# Allegro board gps_interface_boardv54dc.brd (continued)
## Routing (per net, layer and track width the routed paths; a pad name or vN(x,y) marks a point on that pad's centre or on a via; arc(x,y) is an arc through that point) (continued)
  BOTTOM w0.165: U36.2 203.33,82.45 arc(203.1,82.99) 202.57,83.21 v1(199.82,83.21)
  BOTTOM w0.203: R188.2 208.74,122.1 v1(208.61,121.97)
N224464: length 214.7
  TOP w0.203: J20.2 v1(191.37,122.03) ; U52.7 207.21,15.72 arc(209.13,16.51) 209.93,18.44 209.93,28.23 arc(209.85,28.62) 209.63,28.95 v1(207.42,31.17)
  SIG w0.165: v1(207.42,31.17) 209.08,29.5 arc(209.35,29.32) 209.66,29.26 211.71,29.26 arc(213,29.8) 213.54,31.09 213.54,74.74 arc(213.6,75.06) 213.78,75.32 226.78,88.33 arc(226.96,88.6) 227.03,88.91 227.03,118.75 arc(225.74,121.85) 222.63,123.14 216.95,123.14 arc(216.64,123.2) 216.37,123.38 214.82,124.93 arc(214.55,125.11) 214.24,125.17 206.84,125.17 arc(206.53,125.23) 206.26,125.41 204.36,127.32 arc(204.09,127.5) 203.77,127.56 202.04,127.56 arc(201.73,127.5) 201.46,127.32 197.22,123.08 arc(196.95,122.9) 196.63,122.83 194.02,122.83 arc(193.7,122.77) 193.43,122.59 193.11,122.27 arc(192.85,122.09) 192.53,122.03 v1(191.37,122.03)
  BOTTOM w0.165: v1(191.37,122.03) 193.72,122.03 arc(194.46,121.72) 194.77,120.98 194.77,115.56 arc(194.7,115.24) 194.53,114.97 191.68,112.13 arc(191.5,111.86) 191.44,111.54 191.44,98.77 arc(191.38,98.45) 191.2,98.18 180.32,87.3 arc(180.14,87.03) 180.07,86.72 U40.1
  BOTTOM w0.203: v1(191.37,122.03) 191.37,123.01 R208.2
N224468: length 225.6
  TOP w0.203: U52.6 206.29,15.07 206.32,15.04 207.8,15.04 arc(210.11,16) 211.07,18.31 211.07,28.23 arc(211,28.62) 210.78,28.95 v1(208.56,31.17) ; v1(186.31,121.97) 186.37,121.97 arc(186.51,121.91) 186.57,121.77 J20.8
  SIG w0.165: v1(208.56,31.17) 209.79,29.93 arc(210.06,29.75) 210.38,29.69 211.43,29.69 arc(212.65,30.2) 213.16,31.42 213.16,74.97 arc(213.22,75.28) 213.4,75.55 226.35,88.51 arc(226.53,88.77) 226.59,89.09 226.59,118.57 arc(225.38,121.5) 222.45,122.71 216.77,122.71 arc(216.46,122.77) 216.19,122.95 214.64,124.5 arc(214.37,124.68) 214.06,124.74 206.67,124.74 arc(206.35,124.8) 206.08,124.98 204.18,126.89 arc(203.91,127.06) 203.59,127.13 202.22,127.13 arc(201.91,127.06) 201.64,126.89 197.4,122.65 arc(197.13,122.47) 196.81,122.4 194.2,122.4 arc(193.88,122.34) 193.61,122.16 192.62,121.17 arc(192.35,120.99) 192.04,120.93 191.4,120.93 arc(190.82,121.17) 190.58,121.75 190.58,122.11 arc(190.33,122.69) 189.75,122.94 186.94,122.94 arc(186.49,122.75) 186.31,122.3 v1(186.31,121.97)
  BOTTOM w0.165: v1(186.31,121.97) 186.31,121.4 arc(186.25,121.08) 186.07,120.81 183.02,117.77 arc(182.84,117.5) 182.78,117.18 182.78,115.63 arc(182.84,115.32) 183.02,115.05 185.91,112.15 arc(186.09,111.89) 186.16,111.57 186.16,109.66 arc(186.22,109.35) 186.4,109.08 189.45,106.03 arc(189.62,105.76) 189.69,105.45 189.69,97.73 arc(189.62,97.41) 189.45,97.14 178.82,86.52 arc(178.64,86.25) 178.58,85.93 178.58,80.94 arc(178.82,80.35) 179.4,80.11 180.27,80.11 arc(180.8,80.33) 181.03,80.87 U40.2
  BOTTOM w0.203: R209.2 186.44,122.1 v1(186.31,121.97)
N224492: length 252.2
  TOP w0.203: v1(205.18,31.11) 207.65,28.64 arc(207.87,28.31) 207.95,27.93 207.95,19.43 arc(207.62,18.64) 206.84,18.32 U52.11 ; J21.2 v1(169.25,122.03)
  SIG w0.165: v1(169.25,122.03) 169.25,122.33 arc(169.3,122.57) 169.44,122.78 169.81,123.15 arc(169.99,123.42) 170.05,123.74 170.05,128.04 arc(170.42,128.94) 171.32,129.31 225.48,129.31 arc(227.18,128.6) 227.89,126.9 227.89,88.53 arc(227.83,88.21) 227.65,87.95 214.62,74.92 arc(214.44,74.65) 214.38,74.33 214.38,30.61 arc(213.68,28.94) 212.01,28.24 208.39,28.24 arc(208.08,28.31) 207.81,28.49 v1(205.18,31.11)
  BOTTOM w0.165: U44.1 157.95,95.24 arc(158.29,96.05) 159.11,96.39 165.99,96.39 arc(167.66,97.08) 168.35,98.76 168.35,104.86 arc(168.41,105.18) 168.59,105.45 169.43,106.29 arc(169.61,106.55) 169.67,106.87 169.67,111.7 arc(169.73,112.01) 169.91,112.28 172.38,114.74 arc(172.56,115.01) 172.62,115.33 172.62,121.21 arc(172.38,121.79) 171.79,122.03 v1(169.25,122.03)
  BOTTOM w0.203: R229.2 169.25,123.01 v1(169.25,122.03)
N224496: length 258
  TOP w0.203: U52.10 207.37,17.67 arc(208.59,18.17) 209.09,19.39 209.09,27.98 arc(209.02,28.37) 208.8,28.69 v1(206.32,31.17) ; v1(164.19,121.97) 164.25,121.97 arc(164.39,121.91) 164.45,121.77 J21.8
  SIG w0.165: v1(164.19,121.97) 164.19,121.46 arc(164.36,121.03) 164.8,120.85 169.77,120.85 arc(170.47,121.14) 170.76,121.84 170.76,127.89 arc(171.05,128.59) 171.75,128.88 225.27,128.88 arc(226.84,128.23) 227.48,126.67 227.48,88.68 arc(227.42,88.37) 227.24,88.1 214.16,75.02 arc(213.98,74.75) 213.92,74.44 213.92,30.68 arc(213.36,29.34) 212.01,28.78 209.05,28.78 arc(208.74,28.84) 208.47,29.02 v1(206.32,31.17)
  BOTTOM w0.165: v1(164.19,121.97) 164.19,120.97 arc(164.12,120.65) 163.94,120.38 160.95,117.39 arc(160.77,117.12) 160.71,116.8 160.71,115.73 arc(160.77,115.42) 160.95,115.15 164.68,111.42 arc(164.86,111.15) 164.92,110.83 164.92,100.25 arc(163.96,97.94) 161.65,96.98 158.32,96.98 arc(157.1,96.47) 156.59,95.25 156.59,81.11 arc(156.83,80.53) 157.42,80.29 158.04,80.29 arc(158.65,80.54) 158.9,81.15 U44.2
  BOTTOM w0.203: v1(164.19,121.97) 164.31,122.1 R230.2
N245271: length 3.5
  TOP w0.305: D5.2 20.94,76.12 20.95,76.13 v1(21.96,76.13)
  BOTTOM w0.305: Q4.2 v1(21.96,76.13)
N245311: length 7.1
  TOP w0.305: D5.1 v1(18.61,78.12)
  BOTTOM w0.305: v1(18.61,78.12) 20.57,78.12 arc(20.8,78.16) 20.99,78.29 21.03,78.34 arc(21.23,78.47) 21.46,78.51 R51.1
N245859: length 7.4
  TOP w0.305: D4.2 v1(9.09,33.05)
  BOTTOM w0.305: v1(9.09,33.05) 9.09,29.62 arc(8.84,29) 8.21,28.74 Q3.2
N245899: length 1.7
  TOP w0.165: R44.1 12.31,31.37 D4.1
N246142: length 3.3
  TOP w0.305: D6.2 52.33,103.66 52.34,103.67 v1(53.35,103.67)
  BOTTOM w0.305: Q5.2 v1(53.35,103.67)
N246182: length 3.5
  TOP w0.305: D6.1 50,107.11 R57.1
N266416: length 136.9
  TOP w0.203: v1(220.07,30.56) 220.07,19.3 arc(220.32,18.7) 220.92,18.44 U53.11 ; J14.2 v1(265.21,122.03)
  SIG w0.165: v1(265.21,122.03) 263.83,122.03 arc(263.52,122.09) 263.25,122.27 262.83,122.69 arc(262.56,122.87) 262.24,122.94 258.32,122.94 arc(257.42,122.56) 257.05,121.67 257.05,119.6 arc(256.99,119.28) 256.81,119.01 253.15,115.35 arc(252.97,115.09) 252.91,114.77 252.91,108.77 arc(252.84,108.46) 252.67,108.19 252.49,108.01 arc(252.31,107.75) 252.25,107.43 252.25,99.86 arc(252.31,99.54) 252.49,99.28 253.1,98.67 arc(253.28,98.4) 253.34,98.08 253.34,85.64 arc(253.28,85.32) 253.1,85.05 250.81,82.77 arc(250.63,82.5) 250.57,82.18 250.57,79.5 v1(250.49,79.43) 250.62,79.3 arc(250.7,79.18) 250.73,79.04 250.73,64.35 arc(250.67,64.04) 250.49,63.77 220.31,33.59 arc(220.13,33.32) 220.07,33.01 v1(220.07,30.56)
  BOTTOM w0.165: U28.1 253.07,81.66 arc(252.76,81.6) 252.49,81.42 v1(250.49,79.43)
  BOTTOM w0.203: v1(265.21,122.03) 265.21,123.01 R145.2
N266420: length 134.4
  TOP w0.203: v1(260.15,121.97) 260.21,121.97 arc(260.35,121.91) 260.41,121.77 J14.8 ; U53.10 220.1,17.79 arc(219.27,18.14) 218.92,18.97 v1(218.92,30.56)
  SIG w0.165: v1(218.92,30.56) 219.47,30.01 arc(219.74,29.83) 220.05,29.77 220.36,29.77 arc(220.8,29.95) 220.98,30.39 220.98,32.78 arc(221.04,33.1) 221.22,33.36 251.29,63.44 arc(251.47,63.7) 251.54,64.02 251.54,79.27 v1(251.61,79.35) 251.61,82.39 arc(251.68,82.7) 251.85,82.97 253.69,84.81 arc(253.87,85.07) 253.93,85.39 253.93,98.07 arc(253.87,98.39) 253.69,98.66 253.08,99.27 arc(252.9,99.53) 252.84,99.85 252.84,107.18 arc(252.9,107.5) 253.08,107.77 253.26,107.95 arc(253.44,108.21) 253.5,108.53 253.5,114.53 arc(253.56,114.84) 253.74,115.11 257.59,118.96 arc(257.86,119.14) 258.18,119.2 258.42,119.2 arc(259.64,119.71) 260.15,120.93 v1(260.15,121.97)
  BOTTOM w0.165: U28.2 254.84,81.05 arc(254.67,80.64) 254.26,80.47 253.07,80.47 arc(252.76,80.4) 252.49,80.23 v1(251.61,79.35)
  BOTTOM w0.203: v1(260.15,121.97) 260.27,122.1 R146.2
N279924: length 0.9
  TOP w0.165: U12.19 44.77,62.29 44.78,62.28 ; U12.2 46.52,64.04 46.56,64.01
N280018: length 3.6
  TOP w0.305: v1(53.6,70.16) 52.27,70.16 52.25,70.18 D7.2
  BOTTOM w0.305: Q6.2 v1(53.6,70.16)
N280022: length 10.1
  TOP w0.305: D7.1 v1(47.85,70.18)
  BOTTOM w0.305: v1(47.85,70.18) 48.98,71.31 arc(49.48,71.64) 50.06,71.75 50.88,71.75 arc(51.46,71.87) 51.96,72.2 52.26,72.5 arc(52.75,72.83) 53.34,72.95 R62.1
N304882: length 5
  TOP w0.203: v1(8.76,40.56) 8.76,41.26 arc(8.84,41.65) 9.06,41.98 9.59,42.52 arc(9.81,42.84) 9.88,43.22 U6.2
  BOTTOM w0.203: C17.1 v1(8.76,40.56)
N322365: length 3
  TOP w0.17: v1(46.94,84.3) 46.94,83.96 arc(46.82,83.67) 46.53,83.55 U9.5
  BOTTOM w0.17: v1(46.94,84.3) 46.94,83.9 arc(47.05,83.65) 47.3,83.54 R70.1
N322369: length 1.9
  TOP w0.17: U9.7 44.75,84.98 arc(44.77,85.12) 44.85,85.24 v1(44.98,85.37)
  BOTTOM w0.17: R112.1 44.88,86.01 arc(44.96,85.9) 44.98,85.77 v1(44.98,85.37)
N322373: length 1.8
  TOP w0.17: U9.9 43.75,85.48 v1(43.79,85.52)
  BOTTOM w0.17: v1(43.79,85.52) 43.76,85.55 R113.1
N323562: length 2.6
  TOP w0.17: U11.5 46.23,98.41 arc(46.38,98.44) 46.5,98.52 46.73,98.75 arc(46.81,98.87) 46.84,99.01 v1(46.84,99.19)
  BOTTOM w0.17: v1(46.84,99.19) 46.97,99.19 arc(47.07,99.17) 47.14,99.12 R114.1
N323566: length 2.9
  TOP w0.17: v1(46.15,100.2) 46.05,100.2 arc(45.98,100.19) 45.92,100.15 45.29,99.52 arc(45.24,99.44) 45.22,99.36 U11.6
  BOTTOM w0.17: R115.1 45.75,101.27 arc(45.79,101.06) 45.91,100.88 46.01,100.78 arc(46.11,100.62) 46.15,100.44 v1(46.15,100.2)
N323570: length 2.6
  TOP w0.17: U11.7 44.72,100.14 arc(44.79,100.31) 44.96,100.38 v1(44.98,100.38)
  BOTTOM w0.17: R118.1 44.87,101.39 arc(44.95,101.26) 44.98,101.11 v1(44.98,100.38)
N323574: length 2.5
  TOP w0.17: v1(43.38,100.51) 43.56,100.33 arc(43.68,100.15) 43.72,99.95 U11.9
  BOTTOM w0.17: R255.1 43.54,101.35 arc(43.42,101.18) 43.38,100.98 v1(43.38,100.51)
N323578: length 2.8
  TOP w0.17: v1(42.39,100.15) 42.5,100.15 arc(42.56,100.14) 42.62,100.1 43.14,99.59 arc(43.2,99.49) 43.22,99.38 U11.10
  BOTTOM w0.17: v1(42.39,100.15) 42.48,100.24 arc(42.52,100.3) 42.54,100.38 42.54,100.79 arc(42.55,100.88) 42.61,100.95 42.63,100.98 arc(42.68,101.05) 42.7,101.14 R256.1
N323582: length 1.9
  TOP w0.17: U11.11 v1(41.59,98.41)
  BOTTOM w0.17: R257.1 41.02,98.4 41.03,98.41 v1(41.59,98.41)
N325169: length 2.8
  TOP w0.17: U12.6 45.27,66.58 arc(45.31,66.75) 45.4,66.89 45.86,67.35 arc(45.93,67.4) 46.01,67.41 v1(46.13,67.41)
  BOTTOM w0.165: R259.1 45.8,68.15 45.82,68.13 45.82,67.91 arc(45.86,67.73) 45.96,67.58 v1(46.13,67.41)
N325173: length 2.5
  TOP w0.17: v1(45.09,67.64) 44.92,67.47 arc(44.81,67.31) 44.77,67.12 U12.7
  BOTTOM w0.17: R260.1 44.78,68.14 arc(44.82,67.96) 44.92,67.8 v1(45.09,67.64)
N325177: length 2.3
  TOP w0.17: U12.9 v1(43.77,67.59)
  BOTTOM w0.17: v1(43.77,67.59) 43.77,68.14 43.76,68.15 R261.1
N325181: length 2.5
  TOP w0.17: U12.10 43.27,66.7 arc(43.22,66.99) 43.05,67.23 v1(42.72,67.56)
  BOTTOM w0.17: v1(42.72,67.56) 42.72,68.13 42.75,68.15 R262.1
N325185: length 1.9
  TOP w0.17: U12.11 v1(41.6,65.54)
  BOTTOM w0.17: R263.1 41.04,65.58 41.09,65.54 v1(41.6,65.54)
N325191: length 3.2
  TOP w0.17: U12.5 46.19,65.54 arc(46.67,65.74) 46.86,66.21 v1(46.86,66.45)
  BOTTOM w0.17: v1(46.86,66.45) 46.86,65.97 arc(46.99,65.66) 47.3,65.53 R258.1
N339027: length 12.6
  TOP w0.305: v1(106.69,69.71) 106.69,70.29 arc(106.54,70.66) 106.17,70.82 D2.2
  BOTTOM w0.305: Q1.2 105.17,62.17 arc(106.25,62.62) 106.69,63.69 R32.1 v1(106.69,69.71)
N339674: length 5.9
  TOP w0.305: D1.1 102.66,68.5 arc(102.5,68.47) 102.37,68.39 v1(102.21,68.22)
  BOTTOM w0.305: R32.2 R33.1 102.21,67.07 v1(102.21,68.22)
N339693: length 3.1
  TOP w0.305: D2.1 v1(102.21,70.82)
  BOTTOM w0.305: R34.1 102.2,70.12 102.21,70.13 v1(102.21,70.82)
N350589: length 2.1
  BOTTOM w0.203: R110.1 300.41,19.42 300.41,19.43 J15.1
N350593: length 2.1
  BOTTOM w0.203: R111.1 300.45,24.37 300.43,24.38 J16.1
N351209: length 153.5
  TOP w0.203: U53.7 224.94,15.84 arc(225.7,16.16) 226.01,16.92 v1(226.01,30.56) ; J13.2 v1(287.28,122.08)
  SIG w0.165: v1(287.28,122.08) 285.91,122.08 arc(285.59,122.14) 285.32,122.32 285.05,122.59 arc(284.78,122.77) 284.47,122.83 280.64,122.83 arc(279.71,122.45) 279.32,121.51 279.32,120.31 arc(279.26,119.99) 279.08,119.72 274.92,115.56 arc(274.74,115.29) 274.68,114.97 274.68,81.77 arc(274.61,81.46) 274.43,81.19 v1(272.57,79.32) 272.02,78.78 arc(271.84,78.51) 271.78,78.19 271.78,70.66 arc(271.72,70.34) 271.54,70.07 263.28,61.81 arc(263.01,61.63) 262.69,61.57 252.51,61.57 arc(252.19,61.51) 251.92,61.33 226.25,35.66 arc(226.07,35.39) 226.01,35.07 v1(226.01,30.56)
  BOTTOM w0.165: U24.1 275.14,81.56 arc(274.83,81.5) 274.56,81.32 v1(272.57,79.32)
  BOTTOM w0.203: v1(287.28,122.08) 287.28,123.01 R124.2
N351234: length 148.7
  TOP w0.203: v1(282.22,122.02) 282.28,122.02 arc(282.42,121.96) 282.48,121.82 J13.8 ; v1(227.13,30.56) 227.13,16.43 arc(226.76,15.56) 225.89,15.19 U53.6
  SIG w0.165: v1(227.13,30.56) 227.13,34.61 arc(227.19,34.92) 227.37,35.19 252.39,60.21 arc(252.65,60.39) 252.97,60.45 263.16,60.45 arc(263.47,60.51) 263.74,60.69 272.66,69.61 arc(272.83,69.88) 272.9,70.19 272.9,78.12 arc(272.96,78.43) 273.14,78.7 v1(273.69,79.25) 274.97,80.53 arc(275.15,80.8) 275.21,81.11 275.21,114.14 arc(275.27,114.45) 275.45,114.72 279.62,118.88 arc(279.88,119.06) 280.2,119.13 280.52,119.13 arc(281.72,119.62) 282.22,120.83 v1(282.22,122.02)
  BOTTOM w0.165: v1(273.69,79.25) 274.56,80.12 arc(274.83,80.3) 275.14,80.37 276.33,80.37 arc(276.74,80.54) 276.91,80.95 U24.2
  BOTTOM w0.203: v1(282.22,122.02) 282.35,122.15 R125.2
N352210: length 2.4
  BOTTOM w0.203: J11.1 271.72,19.43 271.7,19.45 R106.1
N352214: length 2.4
  BOTTOM w0.305: J12.1 271.72,24.38 271.7,24.37 R107.1
N361011: length 269.4
  TOP w0.17: U105.2 120.96,122.89 arc(120.45,123.1) 120.24,123.61 v1(120.24,126.59)
  TOP w0.203: J30.8 135.21,121.77 arc(135.15,121.91) 135.01,121.97 v1(134.95,121.97) ; U53.4 226.77,13.89 arc(228.57,14.64) 229.31,16.43 v1(229.31,30.56)
  SIG w0.17: v1(229.31,30.56) 227.83,29.08 arc(227.56,28.89) 227.23,28.83 216.1,28.83 arc(215.15,29.22) 214.76,30.17 214.76,74.02 arc(214.82,74.35) 215.01,74.62 228.05,87.66 arc(228.23,87.94) 228.3,88.26 228.3,127.15 arc(227.54,128.98) 225.7,129.74 162.38,129.74 arc(162.05,129.68) 161.78,129.49 161.36,129.08 arc(161.09,128.89) 160.76,128.83 143.47,128.83 arc(142.87,128.58) 142.62,127.98 142.62,122.94 arc(141.96,121.34) 140.36,120.68 135.79,120.68 arc(135.2,120.92) 134.95,121.51 v1(134.95,121.97) 134.39,121.97 arc(133.64,122.28) 133.32,123.04 133.32,123.37 arc(133.26,123.7) 133.08,123.97 130.73,126.32 arc(130.45,126.5) 130.13,126.57 121.79,126.57 121.77,126.59 v1(120.24,126.59)
  BOTTOM w0.203: v1(134.95,121.97) 135.08,122.1 R2677.2
N361478: length 267.7
  TOP w0.17: U105.1 v1(121.72,129.49)
  TOP w0.203: v1(228.22,30.56) 228.22,16.41 arc(227.67,15.09) 226.35,14.54 U53.5 ; J30.2 v1(140.01,122.03)
  SIG w0.17: v1(121.72,129.49) 123.57,129.49 123.6,129.51 134.67,129.51 arc(135.86,129.02) 136.35,127.84 136.35,126.15 arc(136.6,125.55) 137.2,125.3 139.16,125.3 arc(139.77,125.05) 140.01,124.45 v1(140.01,122.03) 140.19,122.03 arc(141.5,122.57) 142.04,123.88 142.04,128.24 arc(142.35,129) 143.1,129.31 159.9,129.31 arc(160.22,129.38) 160.5,129.56 160.89,129.95 arc(161.16,130.14) 161.49,130.2 225.86,130.2 arc(227.89,129.36) 228.73,127.33 228.73,88.08 arc(228.66,87.76) 228.48,87.48 215.44,74.44 arc(215.25,74.17) 215.19,73.84 215.19,30.35 arc(215.51,29.58) 216.28,29.26 226.57,29.26 arc(226.9,29.33) 227.17,29.51 v1(228.22,30.56)
  BOTTOM w0.203: v1(140.01,122.03) 140.01,123.01 R2676.2
N361490: length 231.7
  TOP w0.17: v1(132.18,65.51) 132.18,65.94 arc(132.25,66.27) 132.43,66.54 134.23,68.34 arc(134.47,68.5) 134.75,68.56 U104.16 ; v1(145.44,95.78) 145.44,94.86 U106.1
  TOP w0.203: v1(189.76,44.15) 192.58,41.33 arc(192.91,41.11) 193.3,41.03 222.53,41.03 arc(223.25,40.74) 223.55,40.02 223.55,17.99 arc(223.3,17.39) 222.7,17.14 U53.9
  SIG w0.17: v1(145.44,95.78) 146.23,95.78 arc(146.56,95.72) 146.83,95.53 147.88,94.48 arc(148.07,94.21) 148.13,93.88 148.13,70.91 arc(148.07,70.59) 147.88,70.31 143.33,65.76 arc(143.05,65.57) 142.73,65.51 v1(132.18,65.51) 111.63,65.51 arc(110.97,65.23) 110.69,64.57 110.69,52.4 arc(110.76,52.07) 110.94,51.8 112.78,49.96 arc(113.06,49.77) 113.38,49.71 148.34,49.71 arc(148.66,49.77) 148.94,49.96 150.22,51.24 arc(150.5,51.42) 150.82,51.49 187.15,51.49 arc(189,50.72) 189.76,48.87 v1(189.76,44.15)
N361502: length 237.9
  TOP w0.17: U104.22 138.29,64.91 arc(138.36,64.58) 138.54,64.3 v1(139.24,63.6) ; v1(149.4,93.95) 145.49,93.95 U106.2
  TOP w0.203: v1(191.52,44.17) 193.53,42.16 arc(193.86,41.94) 194.25,41.86 223.55,41.86 arc(224.35,41.52) 224.69,40.72 224.69,17.51 arc(224.39,16.79) 223.67,16.49 U53.8
  SIG w0.17: v1(191.52,44.17) 191.52,49.6 arc(190.82,51.27) 189.14,51.97 150.44,51.97 arc(150.12,51.9) 149.84,51.72 148.84,50.72 arc(148.56,50.53) 148.24,50.47 113.38,50.47 arc(113.06,50.53) 112.78,50.72 111.48,52.02 arc(111.29,52.3) 111.23,52.63 111.23,63.51 arc(111.48,64.11) 112.08,64.36 127.44,64.36 arc(127.76,64.3) 128.04,64.11 128.3,63.85 arc(128.58,63.67) 128.9,63.6 v1(139.24,63.6) 147.6,63.6 arc(148.55,64) 148.95,64.95 148.95,93.19 arc(149,93.47) 149.16,93.71 v1(149.4,93.95)
N437368: length 14.4
  TOP w0.203: J17.P6 J17.P8 253.97,16.8 arc(254.05,17.19) 254.27,17.52 J17.P9 253.62,18.49 J17.P7
  BOTTOM w0.203: J17.P9 258.37,18.49 258.43,18.43 R254.2
N437754: length 11.8
  TOP w0.305: J17.P12 246.27,6.38 arc(245.73,6.95) 244.98,7.16 242.92,7.16 arc(242.34,7.28) 241.84,7.61 240.04,9.41 arc(239.55,9.74) 238.97,9.86 R43.2
N437768: length 17.6
  TOP w0.305: J17.P13 256.15,6.79 arc(256.64,7.12) 257.23,7.24 259.26,7.24 arc(260.34,7.69) 260.78,8.76 260.78,16.01 arc(261.11,16.81) 261.91,17.14 R39.2
N575036: length 6
  TOP w0.203: v1(89.53,116.41) 89.53,115.7 arc(90.07,114.42) 91.34,113.89 U19.1
  BOTTOM w0.203: R93.1 88.76,115.75 arc(88.87,115.77) 88.95,115.83 v1(89.53,116.41)
N575058: length 4.8
  TOP w0.203: v1(89.64,113.41) 89.74,113.31 arc(89.82,113.26) 89.91,113.24 U19.2
  BOTTOM w0.203: R94.1 89.17,114.38 arc(89.5,114.24) 89.64,113.91 v1(89.64,113.41)
N575080: length 8
  TOP w0.203: v1(96.39,112.8) 96.96,112.23 arc(97.29,112.01) 97.68,111.94 U19.21
  BOTTOM w0.203: R95.1 97.7,111.91 arc(97.31,111.99) 96.98,112.21 v1(96.39,112.8)
N576735: length 5.5
  TOP w0.203: U17.8 111.33,28.34 arc(111.26,27.95) 111.04,27.62 v1(110.59,27.18)
  BOTTOM w0.203: v1(110.59,27.18) 110.59,28.54 arc(110.67,28.92) 110.89,29.25 111.09,29.46 arc(111.27,29.73) 111.34,30.04 R81.1
N576751: length 4.8
  TOP w0.203: v1(108.18,26.97) 107.94,27.21 arc(107.79,27.44) 107.74,27.71 U18.8
  BOTTOM w0.203: v1(108.18,26.97) 108.18,28.66 arc(108.13,28.93) 107.97,29.16 107.91,29.22 arc(107.78,29.41) 107.74,29.64 R82.1
N635255: length 4.4
  TOP w0.305: D8.2 100.86,97.36 100.84,97.37 v1(99.51,97.37)
  BOTTOM w0.305: Q7.2 v1(99.51,97.37)
N635295: length 4
  TOP w0.305: D8.1 v1(103.19,100.23)
  BOTTOM w0.305: v1(103.19,100.23) 103.19,100.06 103.21,100.04 R37.1
N637994: length 5
  TOP w0.203: Q12.2 88.84,11.4 arc(88.9,11.71) 89.07,11.97 90.47,13.36 arc(90.7,13.93) 90.47,14.51 90.46,14.51 D15.2
N638034: length 4.5
  TOP w0.203: D15.1 v1(87.22,15.21)
  BOTTOM w0.203: R80.1 88.06,16.84 arc(87.47,16.6) 87.22,16 v1(87.22,15.21)
N638123: length 9
  TOP w0.203: U15.4 91.3,4.05 arc(91.76,4.24) 91.95,4.69 91.95,10.45 arc(91.78,10.86) 91.36,11.03 Q12.1
N638285: length 5.3
  TOP w0.203: R79.1 85.36,3.99 85.39,3.97 R78.2 86.96,3.97 86.97,3.96 87.11,3.96 arc(87.19,3.95) 87.26,3.9 87.39,3.77 arc(87.57,3.65) 87.78,3.61 88.82,3.61 89.06,3.84 arc(89.29,3.99) 89.55,4.05 U15.3
N638693: length 4.9
  TOP w0.203: Q11.2 83.94,11.39 arc(84,11.7) 84.18,11.96 85.4,13.19 arc(85.62,13.52) 85.7,13.91 85.7,14.52 85.71,14.54 D14.2
N638733: length 4.3
  TOP w0.203: D14.1 84.11,18.23 v1(84.11,18.24)
  BOTTOM w0.203: R74.1 v1(84.11,18.24)
N665913: length 2.1
  BOTTOM w0.203: R254.1 262.89,17.53 262.9,17.52 C123.2
N716600: length 2.1
  TOP w0.17: U107.2 138.3,93.64 arc(138.23,93.81) 138.07,93.88 138.03,93.88 arc(137.87,93.81) 137.8,93.64 U107.3
N717829: length 6.7
  TOP w0.203: U107.10 137.8,89.23 137.82,89.21 137.82,88.18 137.89,88.11 137.89,88.06
  TOP w0.33: 137.89,88.06 137.89,87.57 arc(137.93,87.36) 138.04,87.18 v1(138.25,86.98)
  BOTTOM w0.33: C2748.1 138.28,84.31 arc(138.22,84.59) 138.07,84.83 138.02,84.87 arc(137.86,85.11) 137.81,85.38 137.81,86.26 arc(137.86,86.52) 138,86.74 v1(138.25,86.98)
N717833: length 6.7
  TOP w0.203: 137.21,88.11 137.28,88.18 137.28,89.21 137.3,89.23 U107.9
  TOP w0.33: 137.21,88.11 137.21,87.59 arc(137.17,87.38) 137.05,87.19 v1(136.83,86.98)
  BOTTOM w0.33: v1(136.83,86.98) 137.08,86.74 arc(137.22,86.52) 137.27,86.26 137.27,85.38 arc(137.22,85.11) 137.06,84.87 137.02,84.83 arc(136.86,84.59) 136.8,84.31 C2747.1
N727253: length 17.3
  TOP w0.508: C2749.1 186.38,20.12 Y2.6 ; C2749.1 186.51,25.7 arc(186.18,26.51) 185.37,26.84 R2694.2 R2695.2 ; C2749.1 C2750.1 186.65,18.2 L22.1
N755066: length 5.1
  TOP w0.17: Y1.4 97.45,79.91 98.3,80.75 arc(98.57,80.94) 98.9,81 100.8,81 arc(101.05,80.95) 101.26,80.81 101.35,80.72 arc(101.49,80.63) 101.65,80.59 C277.1
N755111: length 8.2
  TOP w0.17: U48.8 108.73,80.13 arc(108.62,80.16) 108.52,80.22 R1540.1 108.2,80.33 arc(108.03,80.3) 107.89,80.21 107.86,80.17 arc(107.71,80.07) 107.53,80.04 105.36,80.04 arc(105.03,80.1) 104.75,80.28 103.85,81.19 arc(103.69,81.29) 103.5,81.33 103.47,81.33 arc(103.28,81.37) 103.12,81.47 C276.2
N755152: length 8.2
  TOP w0.17: C277.2 103.18,80.91 arc(103.28,80.98) 103.39,81 103.43,81 arc(103.55,80.98) 103.65,80.91 104.63,79.93 arc(104.9,79.74) 105.23,79.68 107.54,79.68 arc(107.68,79.65) 107.81,79.57 107.83,79.54 arc(107.95,79.46) 108.1,79.43 R1540.2 108.52,79.54 arc(108.62,79.61) 108.73,79.63 U48.9
N755804: length 2.1
  TOP w0.17: R2670.1 Y1.1
N755834: length 2.1
  TOP w0.17: R1550.2 Y1.2
N755912: length 13.6
  TOP w0.17: L19.1 90.5,85.02 R2670.2 R1550.1
  TOP w0.635: L19.1 91.64,87.52 arc(92.03,87.44) 92.35,87.23 92.44,87.14 arc(92.77,86.92) 93.15,86.84 96.44,86.84 arc(97.05,86.59) 97.3,85.98 Y1.6
N764207: length 2
  TOP w0.254: R2694.1 Y2.1
N764211: length 2
  TOP w0.254: R2695.1 Y2.2
N804236: length 2.1
  TOP w0.508: R2640.1 6.12,18.97 arc(6.18,19.26) 6.34,19.5 U100.B1
N804492: length 2.9
  TOP w0.508: U100.A2 4.6,21.06 arc(3.99,20.94) 3.48,20.59 R2650.1
N808323: length 0.5
  TOP w0.165: U101.2 46.52,46.03 46.56,46
N808573: length 2.7
  TOP w0.17: v1(46.89,48.31) 46.89,47.98 arc(46.76,47.66) 46.44,47.53 U101.5
  BOTTOM w0.17: R2661.1 47.2,48.24 arc(47.12,48.29) 47.02,48.31 v1(46.89,48.31)
N808577: length 2.9
  TOP w0.17: U101.6 45.27,48.48 arc(45.29,48.57) 45.34,48.64 45.97,49.28 arc(46.03,49.31) 46.1,49.33 v1(46.2,49.33)
  BOTTOM w0.17: R2662.1 45.8,50.39 arc(45.84,50.18) 45.96,50.01 46.06,49.9 arc(46.17,49.75) 46.2,49.56 v1(46.2,49.33)
N808581: length 2.6
  TOP w0.17: v1(45.03,49.5) 45.01,49.5 arc(44.84,49.44) 44.77,49.27 U101.7
  BOTTOM w0.17: R2663.1 44.92,50.52 arc(45,50.39) 45.03,50.24 v1(45.03,49.5)
N808585: length 2.5
  TOP w0.17: v1(43.43,49.63) 43.61,49.45 arc(43.73,49.28) 43.77,49.07 U101.9
  BOTTOM w0.17: v1(43.43,49.63) 43.43,50.11 arc(43.47,50.31) 43.59,50.48 R2664.1
N808589: length 2.8
  TOP w0.17: U101.10 43.27,48.51 arc(43.25,48.62) 43.19,48.71 42.67,49.23 arc(42.62,49.26) 42.55,49.28 v1(42.44,49.28)
  BOTTOM w0.17: R2665.1 42.75,50.26 arc(42.73,50.17) 42.68,50.1 42.66,50.08 arc(42.61,50) 42.59,49.91 42.59,49.51 arc(42.57,49.43) 42.53,49.36 v1(42.44,49.28)
N808593: length 1.9
  TOP w0.17: U101.11 v1(41.64,47.53)
  BOTTOM w0.17: v1(41.64,47.53) 41.08,47.53 41.07,47.52 R2666.1
N811210: length 5
  TOP w0.17: C2711.2 16.11,42.46 arc(16.05,42.79) 15.86,43.06 15.69,43.24 arc(15.51,43.51) 15.44,43.84 15.44,43.92 arc(15.33,44.2) 15.04,44.32 U6.11
N812156: length 1.1
  TOP w0.17: U7.2 15.56,69.27 R2669.1
N812455: length 5.1
  TOP w0.17: C276.1 101.66,81.74 arc(101.51,81.71) 101.38,81.62 101.28,81.52 arc(101.07,81.38) 100.82,81.33 98.92,81.33 arc(98.6,81.4) 98.32,81.58 97.45,82.45 Y1.5

## Copper pours and planes (outline as drawn; the poured copper is in the pictures)
12V_FANS on PWR2: 1.52,131.88 10.26,131.88 10.59,131.55 10.59,69.6 4.22,69.6 4.22,65.28 10.59,65.28 10.59,17.68 11.4,16.87 272.14,16.87 272.67,16.33 272.67,2.26 272.06,1.65 1.83,1.65 1.17,2.31 1.17,131.52
12V_FUSE on TOP: 30.73,27.18 61.01,27.18 61.47,26.72 61.47,14.15 61.01,13.69 49.71,13.69 49.71,21.82 49.66,21.77 30.73,21.77
12V_IN on TOP: 49.38,13.5 60.98,13.5 61.48,13 61.48,2 60.48,1 19.15,1 19.15,4.9 37.97,4.9 37.99,4.92 37.99,15.98 37.82,16.15 37.8,16.13 28.04,16.13 27.99,16.18 27.99,21.51 49.38,21.51
GND_IN on TOP: 19.15,27.18 30.2,27.18 30.2,21.77 27.64,21.77 27.64,15.93 37.21,15.93 37.24,15.9 37.24,10.41 19.15,10.41
GND_POWER on TOP (solid shape): 45.29,63.53 44.48,63.53 44.48,63.24 44.37,63.24 44.37,63.09 44.35,63.07 44.35,62.52 44.35,62.52 44.35,60.07 44.48,59.94 44.48,59.92 44.55,59.84 52.27,59.84 52.4,59.72 52.4,56.74 35.99,56.74 35.99,59.79 36.04,59.84 43.94,59.84 43.97,59.84 44.19,60.07 44.19,62.52 44.19,62.52 44.19,63.07 44.17,63.09 44.17,63.24 44.02,63.24 44.02,63.53 43.26,63.53 43.26,65.56 45.29,65.56
